# KiCad board panel_32x32_1515_r0.1.kicad_pcb (continued)
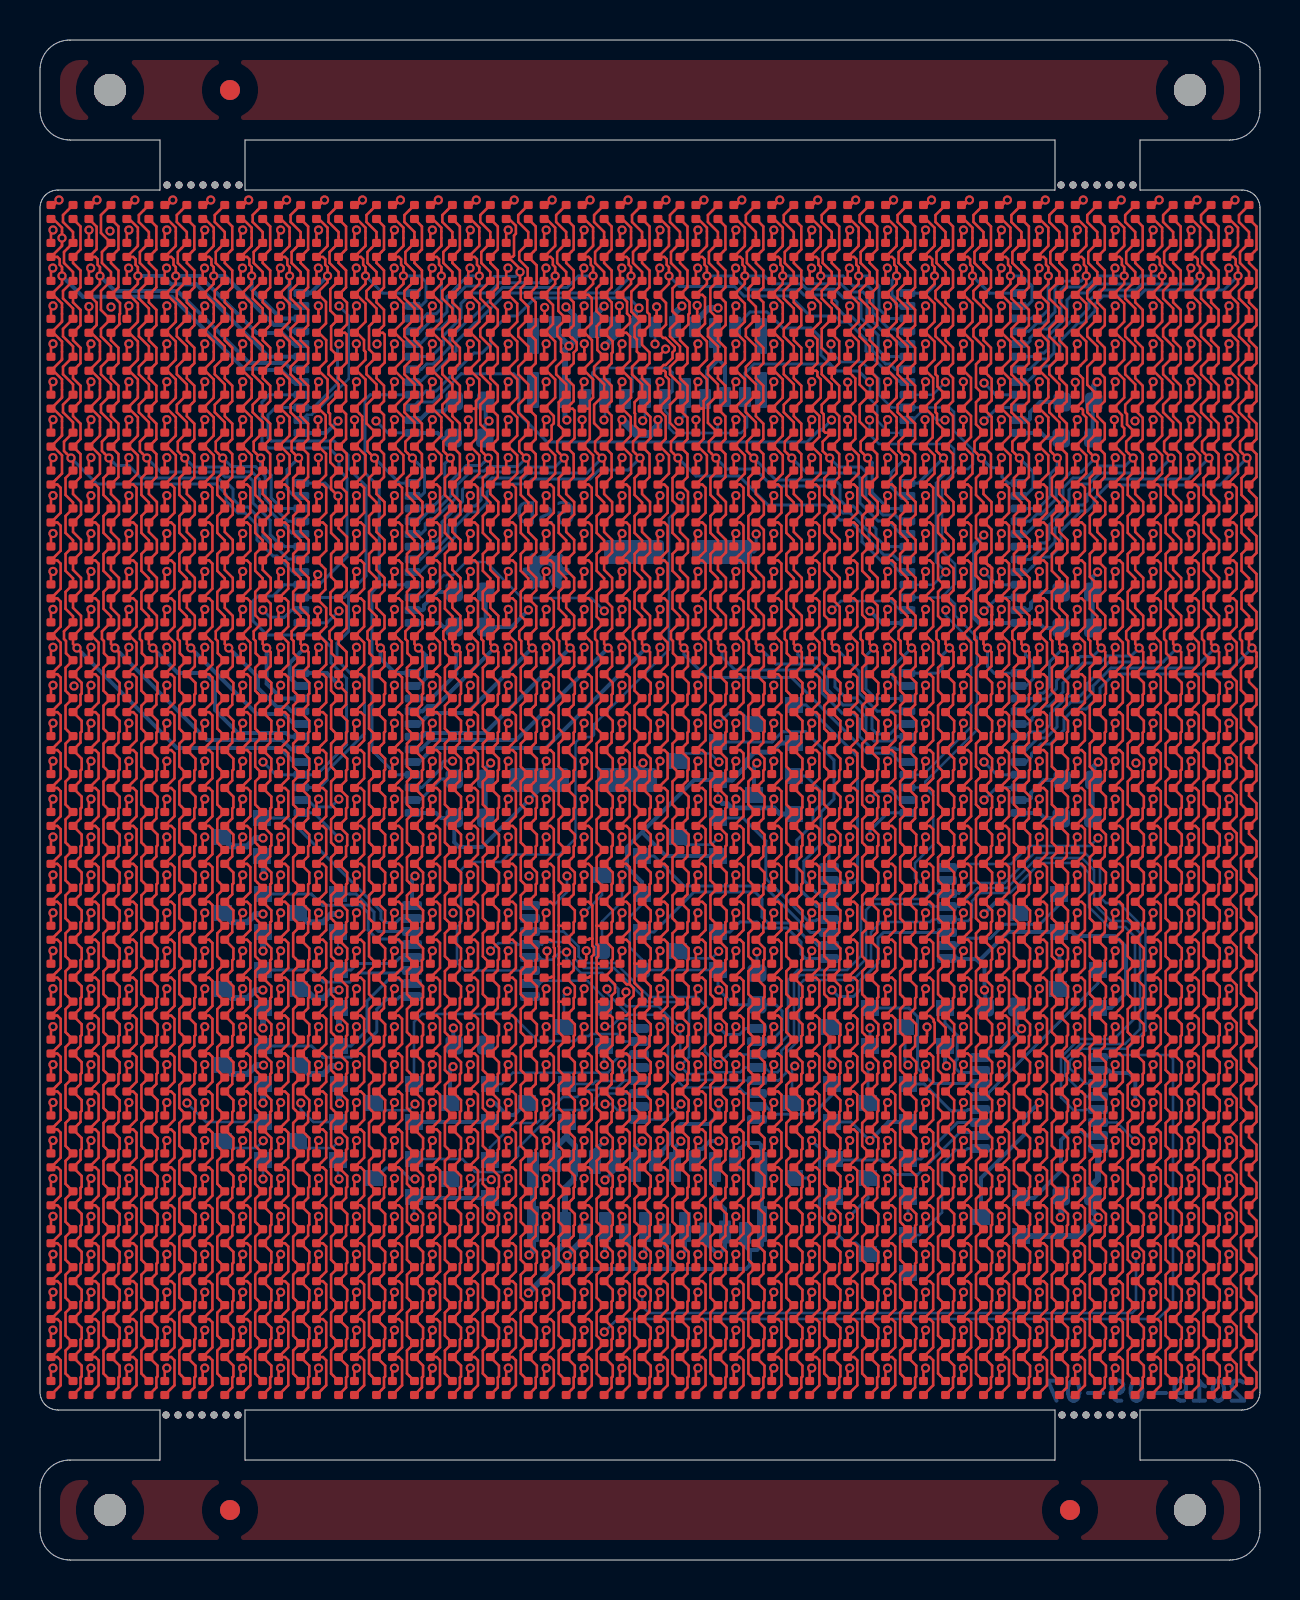
[diagram p0: board, top side]
## Routing (per net, layer and track width the routed paths; a pad name or vN(x,y) marks a point on that pad's centre or on a via; arc(x,y) is an arc through that point) (continued)
  In2.Cu w0.2: v1(6.34,62.71) 6.9,62.15 6.9,59.65 6.95,59.6 6.95,55.43 6.82,55.3 6.82,54.03 7,53.85 7,48.45 6.85,48.3 6.85,40.25 9.55,37.55 9.55,30.42 11.14,28.83 v1(11.14,28.5)
  Bottom w0.3: v1(11.14,28.5) 10.77,28.5 10.37,28.1 9.6,28.1 Q4.3
/ledArray/sheet5D7853C8/COM: length 30.5
  Top w0.127: v1(0.65,38.05) 0.55,37.95 D513.1 ; v1(2.55,38.05) 2.45,37.95 D514.1 ; v1(4.44,38.05) 4.34,37.95 D515.1 ; v1(6.34,38.05) 6.24,37.95 D516.1 ; v1(8.24,38.05) 8.14,37.95 D517.1 ; v1(10.13,38.05) 10.03,37.95 D518.1 ; v1(12.03,38.05) 11.93,37.95 D519.1 ; v1(13.93,38.05) 13.83,37.95 D520.1 ; v1(15.82,38.05) 15.72,37.95 D521.1 ; v1(17.72,38.05) 17.62,37.95 D522.1 ; v1(19.62,38.05) 19.52,37.95 D523.1 ; v1(21.51,38.05) 21.41,37.95 D524.1 ; v1(23.41,38.05) 23.31,37.95 D525.1 ; v1(25.31,38.05) 25.21,37.95 D526.1 ; v1(27.2,38.05) 27.1,37.95 D527.1 ; v1(29.1,38.05) 29,37.95 D528.1 ; v1(31,38.05) 30.9,37.95 D529.1 ; v1(32.9,38.05) 32.79,37.95 D530.1 ; v1(34.79,38.05) 34.69,37.95 D531.1 ; v1(36.69,38.05) 36.59,37.95 D532.1 ; v1(38.59,38.05) 38.48,37.95 D533.1 ; v1(40.48,38.05) 40.38,37.95 D534.1 ; v1(42.38,38.05) 42.28,37.95 D535.1 ; v1(44.28,38.05) 44.17,37.95 D536.1 ; v1(46.17,38.05) 46.07,37.95 D537.1 ; v1(48.07,38.05) 47.97,37.95 D538.1 ; v1(49.97,38.05) 49.86,37.95 D539.1 ; v1(51.86,38.05) 51.76,37.95 D540.1 ; v1(53.76,38.05) 53.66,37.95 D541.1 ; v1(55.66,38.05) 55.56,37.95 D542.1 ; v1(57.55,38.05) 57.45,37.95 D543.1 ; v1(59.45,38.05) 59.35,37.95 D544.1
  In2.Cu w0.2: v1(48.07,38.05) 47.49,37.47 47.49,32.59 v1(47.2,32.3)
  Bottom w0.2: v1(47.2,32.3) 47.85,32.95 48.3,32.95 48.9,32.35 Q17.3
/ledArray/sheet5D7853C9/COM: length 30.8
  Top w0.127: v1(0.65,36.15) 0.55,36.05 D545.1 ; v1(2.55,36.15) 2.45,36.05 D546.1 ; v1(4.44,36.15) 4.34,36.05 D547.1 ; v1(6.34,36.15) 6.24,36.05 D548.1 ; v1(8.24,36.15) 8.14,36.05 D549.1 ; v1(10.13,36.15) 10.03,36.05 D550.1 ; v1(12.03,36.15) 11.93,36.05 D551.1 ; v1(13.93,36.15) 13.83,36.05 D552.1 ; v1(15.82,36.15) 15.72,36.05 D553.1 ; v1(17.72,36.15) 17.62,36.05 D554.1 ; v1(19.62,36.15) 19.52,36.05 D555.1 ; v1(21.51,36.15) 21.41,36.05 D556.1 ; v1(23.41,36.15) 23.31,36.05 D557.1 ; v1(25.31,36.15) 25.21,36.05 D558.1 ; v1(27.2,36.15) 27.1,36.05 D559.1 ; v1(29.1,36.15) 29,36.05 D560.1 ; v1(31,36.15) 30.9,36.05 D561.1 ; v1(32.9,36.15) 32.79,36.05 D562.1 ; v1(34.79,36.15) 34.69,36.05 D563.1 ; v1(36.69,36.15) 36.59,36.05 D564.1 ; v1(38.59,36.15) 38.48,36.05 D565.1 ; v1(40.48,36.15) 40.38,36.05 D566.1 ; v1(42.38,36.15) 42.28,36.05 D567.1 ; v1(44.28,36.15) 44.17,36.05 D568.1 ; v1(46.17,36.15) 46.07,36.05 D569.1 ; v1(48.07,36.15) 47.97,36.05 D570.1 ; v1(49.97,36.15) 49.86,36.05 D571.1 ; v1(51.86,36.15) 51.76,36.05 D572.1 ; v1(53.76,36.15) 53.66,36.05 D573.1 ; v1(55.66,36.15) 55.56,36.05 D574.1 ; v1(57.55,36.15) 57.45,36.05 D575.1 ; v1(59.45,36.15) 59.35,36.05 D576.1
  In2.Cu w0.2: v1(33.93,30.44) 35.21,31.72 35.21,35.73 v1(34.79,36.15)
  Bottom w0.127: v1(33.93,30.44) 33.57,30.08 32.27,30.08 Q18.3
/ledArray/sheet5D7853CA/COM: length 26.3
  Top w0.127: v1(0.65,34.25) 0.55,34.15 D577.1 ; v1(2.55,34.25) 2.45,34.15 D578.1 ; v1(4.44,34.25) 4.34,34.15 D579.1 ; v1(6.34,34.25) 6.24,34.15 D580.1 ; v1(8.24,34.25) 8.14,34.15 D581.1 ; v1(10.13,34.25) 10.03,34.15 D582.1 ; v1(12.03,34.25) 11.93,34.15 D583.1 ; v1(13.93,34.25) 13.83,34.15 D584.1 ; v1(15.82,34.25) 15.72,34.15 D585.1 ; v1(17.72,34.25) 17.62,34.15 D586.1 ; v1(19.62,34.25) 19.52,34.15 D587.1 ; v1(21.51,34.25) 21.41,34.15 D588.1 ; v1(23.41,34.25) 23.31,34.15 D589.1 ; v1(25.31,34.25) 25.21,34.15 D590.1 ; v1(27.2,34.25) 27.1,34.15 D591.1 ; v1(29.1,34.25) 29,34.15 D592.1 ; v1(31,34.25) 30.9,34.15 D593.1 ; v1(32.9,34.25) 32.79,34.15 D594.1 ; v1(34.79,34.25) 34.69,34.15 D595.1 ; v1(36.69,34.25) 36.59,34.15 D596.1 ; v1(38.59,34.25) 38.48,34.15 D597.1 ; v1(40.48,34.25) 40.38,34.15 D598.1 ; v1(42.38,34.25) 42.28,34.15 D599.1 ; v1(44.28,34.25) 44.17,34.15 D600.1 ; v1(46.17,34.25) 46.07,34.15 D601.1 ; v1(48.07,34.25) 47.97,34.15 D602.1 ; v1(49.97,34.25) 49.86,34.15 D603.1 ; v1(51.86,34.25) 51.76,34.15 D604.1 ; v1(53.76,34.25) 53.66,34.15 D605.1 ; v1(55.66,34.25) 55.56,34.15 D606.1 ; v1(57.55,34.25) 57.45,34.15 D607.1 ; v1(59.45,34.25) 59.35,34.15 D608.1
  Bottom w0.127: v1(29.1,34.25) 29.1,32.92 28.1,31.92 Q19.3
/ledArray/sheet5D7853CB/COM: length 24.3
  Top w0.127: v1(0.65,32.36) 0.55,32.26 D609.1 ; v1(2.55,32.36) 2.45,32.26 D610.1 ; v1(4.44,32.36) 4.34,32.26 D611.1 ; v1(6.34,32.36) 6.24,32.26 D612.1 ; v1(8.24,32.36) 8.14,32.26 D613.1 ; v1(10.13,32.36) 10.03,32.26 D614.1 ; v1(12.03,32.36) 11.93,32.26 D615.1 ; v1(13.93,32.36) 13.83,32.26 D616.1 ; v1(15.82,32.36) 15.72,32.26 D617.1 ; v1(17.72,32.36) 17.62,32.26 D618.1 ; v1(19.62,32.36) 19.52,32.26 D619.1 ; v1(21.51,32.36) 21.41,32.26 D620.1 ; v1(23.41,32.36) 23.31,32.26 D621.1 ; v1(25.31,32.36) 25.21,32.26 D622.1 ; v1(27.2,32.36) 27.1,32.26 D623.1 ; v1(29.1,32.36) 29,32.26 D624.1 ; v1(31,32.36) 30.9,32.26 D625.1 ; v1(32.9,32.36) 32.79,32.26 D626.1 ; v1(34.79,32.36) 34.69,32.26 D627.1 ; v1(36.69,32.36) 36.59,32.26 D628.1 ; v1(38.59,32.36) 38.48,32.26 D629.1 ; v1(40.48,32.36) 40.38,32.26 D630.1 ; v1(42.38,32.36) 42.28,32.26 D631.1 ; v1(44.28,32.36) 44.17,32.26 D632.1 ; v1(46.17,32.36) 46.07,32.26 D633.1 ; v1(48.07,32.36) 47.97,32.26 D634.1 ; v1(49.97,32.36) 49.86,32.26 D635.1 ; v1(51.86,32.36) 51.76,32.26 D636.1 ; v1(53.76,32.36) 53.66,32.26 D637.1 ; v1(55.66,32.36) 55.56,32.26 D638.1 ; v1(57.55,32.36) 57.45,32.26 D639.1 ; v1(59.45,32.36) 59.35,32.26 D640.1
  Bottom w0.127: v1(27.2,32.36) 28.1,33.25 Q20.3
/ledArray/sheet5D7853CC/COM: length 30.6
  Top w0.127: v1(0.65,30.46) 0.55,30.36 D641.1 ; v1(2.55,30.46) 2.45,30.36 D642.1 ; v1(4.44,30.46) 4.34,30.36 D643.1 ; v1(6.34,30.46) 6.24,30.36 D644.1 ; v1(8.24,30.46) 8.14,30.36 D645.1 ; v1(10.13,30.46) 10.03,30.36 D646.1 ; v1(12.03,30.46) 11.93,30.36 D647.1 ; v1(13.93,30.46) 13.83,30.36 D648.1 ; v1(15.82,30.46) 15.72,30.36 D649.1 ; v1(17.72,30.46) 17.62,30.36 D650.1 ; v1(19.62,30.46) 19.52,30.36 D651.1 ; v1(21.51,30.46) 21.41,30.36 D652.1 ; v1(23.41,30.46) 23.31,30.36 D653.1 ; v1(29.1,30.46) 29,30.36 D656.1 ; v1(31,30.46) 30.9,30.36 D657.1 ; v1(32.9,30.46) 32.79,30.36 D658.1 ; v1(34.79,30.46) 34.69,30.36 D659.1 ; v1(36.69,30.46) 36.59,30.36 D660.1 ; v1(38.59,30.46) 38.48,30.36 D661.1 ; v1(40.48,30.46) 40.38,30.36 D662.1 ; v1(42.38,30.46) 42.28,30.36 D663.1 ; v1(44.28,30.46) 44.17,30.36 D664.1 ; v1(46.17,30.46) 46.07,30.36 D665.1 ; v1(48.07,30.46) 47.97,30.36 D666.1 ; v1(49.97,30.46) 49.86,30.36 D667.1 ; v1(51.86,30.46) 51.76,30.36 D668.1 ; v1(53.76,30.46) 53.66,30.36 D669.1 ; v1(55.66,30.46) 55.56,30.36 D670.1 ; v1(57.55,30.46) 57.45,30.36 D671.1 ; v1(59.45,30.46) 59.35,30.36 D672.1 ; D654.1 25.35,29.96 v1(25.35,30.45) ; D655.1 27.31,30.02 v1(27.31,30.46)
  In2.Cu w0.2: v1(32.9,30.46) 33.93,31.5 v1(33.93,36.13)
  Bottom w0.127: Q21.3 32.28,35.77 33.57,35.77 v1(33.93,36.13)
/ledArray/sheet5D7853CD/COM: length 35.8
  Top w0.127: v1(0.65,28.56) 0.55,28.46 D673.1 ; v1(2.55,28.56) 2.45,28.46 D674.1 ; v1(4.44,28.56) 4.34,28.46 D675.1 ; v1(6.34,28.56) 6.24,28.46 D676.1 ; v1(8.24,28.56) 8.14,28.46 D677.1 ; v1(10.13,28.56) 10.03,28.46 D678.1 ; v1(12.03,28.56) 11.93,28.46 D679.1 ; v1(13.93,28.56) 13.83,28.46 D680.1 ; v1(15.82,28.56) 15.72,28.46 D681.1 ; v1(17.72,28.56) 17.62,28.46 D682.1 ; v1(19.62,28.56) 19.52,28.46 D683.1 ; v1(21.51,28.56) 21.41,28.46 D684.1 ; v1(23.41,28.56) 23.31,28.46 D685.1 ; v1(25.31,28.56) 25.21,28.46 D686.1 ; v1(27.2,28.56) 27.1,28.46 D687.1 ; v1(31,28.56) 30.9,28.46 D689.1 ; v1(32.9,28.56) 32.79,28.46 D690.1 ; v1(34.79,28.56) 34.69,28.46 D691.1 ; v1(36.69,28.56) 36.59,28.46 D692.1 ; v1(38.59,28.56) 38.48,28.46 D693.1 ; v1(40.48,28.56) 40.38,28.46 D694.1 ; v1(42.38,28.56) 42.28,28.46 D695.1 ; v1(44.28,28.56) 44.17,28.46 D696.1 ; v1(46.17,28.56) 46.07,28.46 D697.1 ; v1(48.07,28.56) 47.97,28.46 D698.1 ; v1(49.97,28.56) 49.86,28.46 D699.1 ; v1(51.86,28.56) 51.76,28.46 D700.1 ; v1(53.76,28.56) 53.66,28.46 D701.1 ; v1(55.66,28.56) 55.56,28.46 D702.1 ; v1(57.55,28.56) 57.45,28.46 D703.1 ; v1(59.45,28.56) 59.35,28.46 D704.1 ; v1(29.3,28.4) 29.3,28.22 D688.1 29,28.07
  In2.Cu w0.2: v1(36.69,28.56) 37.11,28.98 37.11,38.58 v1(35.84,39.85)
  Bottom w0.2: v1(35.84,39.85) 35.7,39.71 Q22.3
/ledArray/sheet5D7853CE/COM: length 38.9
  Top w0.127: v1(0.65,26.67) 0.55,26.57 D705.1 ; v1(2.55,26.67) 2.45,26.57 D706.1 ; v1(4.44,26.67) 4.34,26.57 D707.1 ; v1(6.34,26.67) 6.24,26.57 D708.1 ; v1(8.24,26.67) 8.14,26.57 D709.1 ; v1(10.13,26.67) 10.03,26.57 D710.1 ; v1(12.03,26.67) 11.93,26.57 D711.1 ; v1(13.93,26.67) 13.83,26.57 D712.1 ; v1(15.82,26.67) 15.72,26.57 D713.1 ; v1(17.72,26.67) 17.62,26.57 D714.1 ; v1(19.62,26.67) 19.52,26.57 D715.1 ; v1(21.51,26.67) 21.41,26.57 D716.1 ; v1(23.41,26.67) 23.31,26.57 D717.1 ; v1(25.31,26.67) 25.21,26.57 D718.1 ; v1(27.2,26.67) 27.1,26.57 D719.1 ; v1(29.1,26.67) 29,26.57 D720.1 ; v1(31,26.67) 30.9,26.57 D721.1 ; v1(32.9,26.67) 32.79,26.57 D722.1 ; v1(34.79,26.67) 34.69,26.57 D723.1 ; v1(36.69,26.67) 36.59,26.57 D724.1 ; v1(38.59,26.67) 38.48,26.57 D725.1 ; v1(40.48,26.67) 40.38,26.57 D726.1 ; v1(42.38,26.67) 42.28,26.57 D727.1 ; v1(46.17,26.67) 46.07,26.57 D729.1 ; v1(48.07,26.67) 47.97,26.57 D730.1 ; v1(49.97,26.67) 49.86,26.57 D731.1 ; v1(51.86,26.67) 51.76,26.57 D732.1 ; v1(53.76,26.67) 53.66,26.57 D733.1 ; v1(55.66,26.67) 55.56,26.57 D734.1 ; v1(57.55,26.67) 57.45,26.57 D735.1 ; v1(59.45,26.67) 59.35,26.57 D736.1 ; D728.1 44.35,26.2 v1(44.35,26.65)
  In2.Cu w0.2: v1(33.95,39.9) 32.48,38.43 32.48,28.15 v1(31,26.67)
  Bottom w0.127: v1(33.95,39.9) 33.52,40.33 32.28,40.33 Q23.3
/ledArray/sheet5D7853CF/COM: length 43.3
  Top w0.127: v1(0.65,24.77) 0.55,24.67 D737.1 ; v1(2.55,24.77) 2.45,24.67 D738.1 ; v1(4.44,24.77) 4.34,24.67 D739.1 ; v1(6.34,24.77) 6.24,24.67 D740.1 ; v1(8.24,24.77) 8.14,24.67 D741.1 ; v1(10.13,24.77) 10.03,24.67 D742.1 ; v1(12.03,24.77) 11.93,24.67 D743.1 ; v1(13.93,24.77) 13.83,24.67 D744.1 ; v1(15.82,24.77) 15.72,24.67 D745.1 ; v1(17.72,24.77) 17.62,24.67 D746.1 ; v1(19.62,24.77) 19.52,24.67 D747.1 ; v1(21.51,24.77) 21.41,24.67 D748.1 ; v1(23.41,24.77) 23.31,24.67 D749.1 ; v1(25.31,24.77) 25.21,24.67 D750.1 ; v1(27.2,24.77) 27.1,24.67 D751.1 ; v1(31,24.77) 30.9,24.67 D753.1 ; v1(32.9,24.77) 32.79,24.67 D754.1 ; v1(34.79,24.77) 34.69,24.67 D755.1 ; v1(36.69,24.77) 36.59,24.67 D756.1 ; v1(38.59,24.77) 38.48,24.67 D757.1 ; v1(40.48,24.77) 40.38,24.67 D758.1 ; v1(42.38,24.77) 42.28,24.67 D759.1 ; v1(44.28,24.77) 44.17,24.67 D760.1 ; v1(46.17,24.77) 46.07,24.67 D761.1 ; v1(48.07,24.77) 47.97,24.67 D762.1 ; v1(49.97,24.77) 49.86,24.67 D763.1 ; v1(51.86,24.77) 51.76,24.67 D764.1 ; v1(53.76,24.77) 53.66,24.67 D765.1 ; v1(55.66,24.77) 55.56,24.67 D766.1 ; v1(57.55,24.77) 57.45,24.67 D767.1 ; v1(59.45,24.77) 59.35,24.67 D768.1 ; v1(29.09,24.78) 29.09,24.21 D752.1
  In2.Cu w0.2: v1(33.9,41.8) 31.75,39.65 31.75,28.7 29.09,26.04 v1(29.09,24.78)
  Bottom w0.127: Q24.3 35.65,41.8 35.12,42.33 34.43,42.33 v1(33.9,41.8)
/ledArray/sheet5D7955BF/COM: length 29
  Top w0.127: v1(0.65,22.87) 0.55,22.77 D769.1 ; v1(2.55,22.87) 2.45,22.77 D770.1 ; v1(4.44,22.87) 4.34,22.77 D771.1 ; v1(6.34,22.87) 6.24,22.77 D772.1 ; v1(8.24,22.87) 8.14,22.77 D773.1 ; v1(10.13,22.87) 10.03,22.77 D774.1 ; v1(12.03,22.87) 11.93,22.77 D775.1 ; v1(13.93,22.87) 13.83,22.77 D776.1 ; v1(15.82,22.87) 15.72,22.77 D777.1 ; v1(17.72,22.87) 17.62,22.77 D778.1 ; v1(19.62,22.87) 19.52,22.77 D779.1 ; v1(21.51,22.87) 21.41,22.77 D780.1 ; v1(23.41,22.87) 23.31,22.77 D781.1 ; v1(25.31,22.87) 25.21,22.77 D782.1 ; v1(27.2,22.87) 27.1,22.77 D783.1 ; v1(29.1,22.87) 29,22.77 D784.1 ; v1(31,22.87) 30.9,22.77 D785.1 ; v1(32.9,22.87) 32.79,22.77 D786.1 ; v1(34.79,22.87) 34.69,22.77 D787.1 ; v1(36.69,22.87) 36.59,22.77 D788.1 ; v1(38.59,22.87) 38.48,22.77 D789.1 ; v1(40.48,22.87) 40.38,22.77 D790.1 ; v1(42.38,22.87) 42.28,22.77 D791.1 ; v1(44.28,22.87) 44.17,22.77 D792.1 ; v1(46.17,22.87) 46.07,22.77 D793.1 ; v1(48.07,22.87) 47.97,22.77 D794.1 ; v1(49.97,22.87) 49.86,22.77 D795.1 ; v1(51.86,22.87) 51.76,22.77 D796.1 ; v1(53.76,22.87) 53.66,22.77 D797.1 ; v1(55.66,22.87) 55.56,22.77 D798.1 ; v1(57.55,22.87) 57.45,22.77 D799.1 ; v1(59.45,22.87) 59.35,22.77 D800.1
  Bottom w0.2: v1(49.97,22.87) 49.2,22.11 49.2,21.25 47.05,19.1 Q25.3
/ledArray/sheet5D7955CE/COM: length 29.2
  Top w0.127: v1(0.65,20.98) 0.55,20.88 D801.1 ; v1(2.55,20.98) 2.45,20.88 D802.1 ; v1(4.44,20.98) 4.34,20.88 D803.1 ; v1(6.34,20.98) 6.24,20.88 D804.1 ; v1(8.24,20.98) 8.14,20.88 D805.1 ; v1(10.13,20.98) 10.03,20.88 D806.1 ; v1(12.03,20.98) 11.93,20.88 D807.1 ; v1(13.93,20.98) 13.83,20.88 D808.1 ; v1(15.82,20.98) 15.72,20.88 D809.1 ; v1(17.72,20.98) 17.62,20.88 D810.1 ; v1(19.62,20.98) 19.52,20.88 D811.1 ; v1(21.51,20.98) 21.41,20.88 D812.1 ; v1(23.41,20.98) 23.31,20.88 D813.1 ; v1(25.31,20.98) 25.21,20.88 D814.1 ; v1(27.2,20.98) 27.1,20.88 D815.1 ; v1(29.1,20.98) 29,20.88 D816.1 ; v1(31,20.98) 30.9,20.88 D817.1 ; v1(32.9,20.98) 32.79,20.88 D818.1 ; v1(34.79,20.98) 34.69,20.88 D819.1 ; v1(36.69,20.98) 36.59,20.88 D820.1 ; v1(38.59,20.98) 38.48,20.88 D821.1 ; v1(40.48,20.98) 40.38,20.88 D822.1 ; v1(42.38,20.98) 42.28,20.88 D823.1 ; v1(44.28,20.98) 44.17,20.88 D824.1 ; v1(46.17,20.98) 46.07,20.88 D825.1 ; v1(48.07,20.98) 47.97,20.88 D826.1 ; v1(49.97,20.98) 49.86,20.88 D827.1 ; v1(51.86,20.98) 51.76,20.88 D828.1 ; v1(53.76,20.98) 53.66,20.88 D829.1 ; v1(55.66,20.98) 55.56,20.88 D830.1 ; v1(57.55,20.98) 57.45,20.88 D831.1 ; v1(59.45,20.98) 59.35,20.88 D832.1
  Bottom w0.15: Q26.3 41.35,15.3 40.8,15.85 40.32,15.85 38.98,17.19 38.98,20.58 v1(38.59,20.98)
/ledArray/sheet5D7955E0/COM: length 23
  Top w0.127: v1(0.65,19.08) 0.55,18.98 D833.1 ; v1(2.55,19.08) 2.45,18.98 D834.1 ; v1(4.44,19.08) 4.34,18.98 D835.1 ; v1(6.34,19.08) 6.24,18.98 D836.1 ; v1(8.24,19.08) 8.14,18.98 D837.1 ; v1(10.13,19.08) 10.03,18.98 D838.1 ; v1(12.03,19.08) 11.93,18.98 D839.1 ; v1(13.93,19.08) 13.83,18.98 D840.1 ; v1(15.82,19.08) 15.72,18.98 D841.1 ; v1(17.72,19.08) 17.62,18.98 D842.1 ; v1(19.62,19.08) 19.52,18.98 D843.1 ; v1(21.51,19.08) 21.41,18.98 D844.1 ; v1(23.41,19.08) 23.31,18.98 D845.1 ; v1(25.31,19.08) 25.21,18.98 D846.1 ; v1(27.2,19.08) 27.1,18.98 D847.1 ; v1(29.1,19.08) 29,18.98 D848.1 ; v1(31,19.08) 30.9,18.98 D849.1 ; v1(32.9,19.08) 32.79,18.98 D850.1 ; v1(34.79,19.08) 34.69,18.98 D851.1 ; v1(36.69,19.08) 36.59,18.98 D852.1 ; v1(38.59,19.08) 38.48,18.98 D853.1 ; v1(40.48,19.08) 40.38,18.98 D854.1 ; v1(42.38,19.08) 42.28,18.98 D855.1 ; v1(44.28,19.08) 44.17,18.98 D856.1 ; v1(46.17,19.08) 46.07,18.98 D857.1 ; v1(48.07,19.08) 47.97,18.98 D858.1 ; v1(49.97,19.08) 49.86,18.98 D859.1 ; v1(51.86,19.08) 51.76,18.98 D860.1 ; v1(53.76,19.08) 53.66,18.98 D861.1 ; v1(55.66,19.08) 55.56,18.98 D862.1 ; v1(57.55,19.08) 57.45,18.98 D863.1 ; v1(59.45,19.08) 59.35,18.98 D864.1
  Bottom w0.15: Q27.3 38.57,19.1 v1(38.59,19.08)
/ledArray/sheet5D7955F1/COM: length 24.4
  Top w0.127: v1(0.65,17.18) 0.55,17.08 D865.1 ; v1(2.55,17.18) 2.45,17.08 D866.1 ; v1(4.44,17.18) 4.34,17.08 D867.1 ; v1(6.34,17.18) 6.24,17.08 D868.1 ; v1(8.24,17.18) 8.14,17.08 D869.1 ; v1(10.13,17.18) 10.03,17.08 D870.1 ; v1(12.03,17.18) 11.93,17.08 D871.1 ; v1(13.93,17.18) 13.83,17.08 D872.1 ; v1(15.82,17.18) 15.72,17.08 D873.1 ; v1(17.72,17.18) 17.62,17.08 D874.1 ; v1(19.62,17.18) 19.52,17.08 D875.1 ; v1(21.51,17.18) 21.41,17.08 D876.1 ; v1(23.41,17.18) 23.31,17.08 D877.1 ; v1(25.31,17.18) 25.21,17.08 D878.1 ; v1(27.2,17.18) 27.1,17.08 D879.1 ; v1(29.1,17.18) 29,17.08 D880.1 ; v1(31,17.18) 30.9,17.08 D881.1 ; v1(32.9,17.18) 32.79,17.08 D882.1 ; v1(34.79,17.18) 34.69,17.08 D883.1 ; v1(36.69,17.18) 36.59,17.08 D884.1 ; v1(38.59,17.18) 38.48,17.08 D885.1 ; v1(40.48,17.18) 40.38,17.08 D886.1 ; v1(42.38,17.18) 42.28,17.08 D887.1 ; v1(44.28,17.18) 44.17,17.08 D888.1 ; v1(46.17,17.18) 46.07,17.08 D889.1 ; v1(48.07,17.18) 47.97,17.08 D890.1 ; v1(49.97,17.18) 49.86,17.08 D891.1 ; v1(51.86,17.18) 51.76,17.08 D892.1 ; v1(53.76,17.18) 53.66,17.08 D893.1 ; v1(55.66,17.18) 55.56,17.08 D894.1 ; v1(57.55,17.18) 57.45,17.08 D895.1 ; v1(59.45,17.18) 59.35,17.08 D896.1
  Bottom w0.15: Q28.3 41.4,18.1 v1(40.48,17.18)
/ledArray/sheet5D73722B/COM: length 53.1
  Top w0.127: v1(0.65,57.02) 0.55,56.91 D193.1 ; v1(2.55,57.02) 2.45,56.91 D194.1 ; v1(4.44,57.02) 4.34,56.91 D195.1 ; v1(6.34,57.02) 6.24,56.91 D196.1 ; v1(8.24,57.02) 8.14,56.91 D197.1 ; v1(10.13,57.02) 10.03,56.91 D198.1 ; v1(12.03,57.02) 11.93,56.91 D199.1 ; v1(17.72,57.02) 17.62,56.91 D202.1 ; v1(19.62,57.02) 19.52,56.91 D203.1 ; v1(23.41,57.02) 23.31,56.91 D205.1 ; v1(25.31,57.02) 25.21,56.91 D206.1 ; v1(29.1,57.02) 29,56.91 D208.1 ; v1(34.79,57.02) 34.69,56.91 D211.1 ; v1(36.69,57.02) 36.59,56.91 D212.1 ; v1(38.59,57.02) 38.48,56.91 D213.1 ; v1(42.38,57.02) 42.28,56.91 D215.1 ; v1(48.07,57.02) 47.97,56.91 D218.1 ; v1(49.97,57.02) 49.86,56.91 D219.1 ; v1(51.86,57.02) 51.76,56.91 D220.1 ; v1(55.66,57.02) 55.56,56.91 D222.1 ; v1(57.55,57.02) 57.45,56.91 D223.1 ; v1(59.45,57.02) 59.35,56.91 D224.1 ; v1(15.73,57.01) 15.73,56.37 D201.1 ; v1(27.11,57.02) 27.11,56.37 D207.1 ; D214.1 40.38,56.37 v1(40.38,57.02) ; D204.1 21.42,56.37 v1(21.42,57.01) ; D217.1 46.17,56.46 v1(46.17,57.02) ; D210.1 32.8,56.37 v1(32.8,57.01) ; v1(44.25,57.02) 44.25,56.45 D216.1 ; D209.1 30.9,56.37 v1(30.9,57.02) ; v1(53.72,57.02) 53.72,56.43 D221.1 ; v1(13.9,57.02) 13.9,56.44 D200.1
  In2.Cu w0.2: v1(14.95,32.3) 14.35,32.9 14.35,44.1 14.88,44.62 14.88,46.22 14.5,46.6 13.85,46.6 13.4,47.05 13.4,56.51 v1(13.9,57.02)
  Bottom w0.3: Q7.3 12.95,32.35 13.41,31.89 14.15,31.89 14.56,32.3 v1(14.95,32.3)
  Bottom w0.4: v1(29.1,57.02) 29.82,56.3 30.51,56.3 30.9,56.69 v1(30.9,57.02)
/ledArray/sheet5D73723C/COM: length 43.9
  Top w0.127: v1(0.65,55.12) 0.55,55.02 D225.1 ; v1(2.55,55.12) 2.45,55.02 D226.1 ; v1(4.44,55.12) 4.34,55.02 D227.1 ; v1(6.34,55.12) 6.24,55.02 D228.1 ; v1(8.24,55.12) 8.14,55.02 D229.1 ; v1(10.13,55.12) 10.03,55.02 D230.1 ; v1(12.03,55.12) 11.93,55.02 D231.1 ; v1(15.82,55.12) 15.72,55.02 D233.1 ; v1(17.72,55.12) 17.62,55.02 D234.1 ; v1(19.62,55.12) 19.52,55.02 D235.1 ; v1(21.51,55.12) 21.41,55.02 D236.1 ; v1(23.41,55.12) 23.31,55.02 D237.1 ; v1(25.31,55.12) 25.21,55.02 D238.1 ; v1(27.2,55.12) 27.1,55.02 D239.1 ; v1(29.1,55.12) 29,55.02 D240.1 ; v1(31,55.12) 30.9,55.02 D241.1 ; v1(32.9,55.12) 32.79,55.02 D242.1 ; v1(34.79,55.12) 34.69,55.02 D243.1 ; v1(36.69,55.12) 36.59,55.02 D244.1 ; v1(38.59,55.12) 38.48,55.02 D245.1 ; v1(40.48,55.12) 40.38,55.02 D246.1 ; v1(42.38,55.12) 42.28,55.02 D247.1 ; v1(44.28,55.12) 44.17,55.02 D248.1 ; v1(46.17,55.12) 46.07,55.02 D249.1 ; v1(48.07,55.12) 47.97,55.02 D250.1 ; v1(49.97,55.12) 49.86,55.02 D251.1 ; v1(51.86,55.12) 51.76,55.02 D252.1 ; v1(53.76,55.12) 53.66,55.02 D253.1 ; v1(55.66,55.12) 55.56,55.02 D254.1 ; v1(57.55,55.12) 57.45,55.02 D255.1 ; v1(59.45,55.12) 59.35,55.02 D256.1 ; D232.1 13.92,54.56 v1(13.92,55.12)
  In2.Cu w0.2: v1(11.15,36.1) 11.15,39.28 10.55,39.88 10.55,53.75 10.13,54.17 v1(10.13,55.12)
  Bottom w0.3: v1(11.15,36.1) 10.78,36.1 10.36,35.68 9.57,35.68 Q8.3
/ledArray/sheet5D737207/COM: length 58.8
  Top w0.127: v1(0.65,60.81) 0.55,60.71 D129.1 ; v1(2.55,60.81) 2.45,60.71 D130.1 ; v1(4.44,60.81) 4.34,60.71 D131.1 ; v1(6.34,60.81) 6.24,60.71 D132.1 ; v1(8.24,60.81) 8.14,60.71 D133.1 ; v1(10.13,60.81) 10.03,60.71 D134.1 ; v1(12.03,60.81) 11.93,60.71 D135.1 ; v1(13.93,60.81) 13.83,60.71 D136.1 ; v1(17.72,60.81) 17.62,60.71 D138.1 ; v1(19.62,60.81) 19.52,60.71 D139.1 ; v1(21.51,60.81) 21.41,60.71 D140.1 ; v1(23.41,60.81) 23.31,60.71 D141.1 ; v1(25.31,60.81) 25.21,60.71 D142.1 ; v1(29.1,60.81) 29,60.71 D144.1 ; v1(32.9,60.81) 32.79,60.71 D146.1 ; v1(34.79,60.81) 34.69,60.71 D147.1 ; v1(36.69,60.81) 36.59,60.71 D148.1 ; v1(40.48,60.81) 40.38,60.71 D150.1 ; v1(42.38,60.81) 42.28,60.71 D151.1 ; v1(44.28,60.81) 44.17,60.71 D152.1 ; v1(46.17,60.81) 46.07,60.71 D153.1 ; v1(48.07,60.81) 47.97,60.71 D154.1 ; v1(49.97,60.81) 49.86,60.71 D155.1 ; v1(51.86,60.81) 51.76,60.71 D156.1 ; v1(53.76,60.81) 53.66,60.71 D157.1 ; v1(55.66,60.81) 55.56,60.71 D158.1 ; v1(57.55,60.81) 57.45,60.71 D159.1 ; v1(59.45,60.81) 59.35,60.71 D160.1 ; v1(31.28,60.55) D145.1 ; v1(38.49,60.81) 38.49,60.16 D149.1 ; v1(15.82,60.81) 15.82,60.26 D137.1 ; D143.1 27.21,60.27 v1(27.21,60.81)
  In2.Cu w0.2: v1(14.95,28.5) 13.51,29.94 13.51,44.06 14.45,45 14.45,45.95 14.25,46.15 13.75,46.15 13.05,46.85 13.05,53.8 12.45,54.4 12.45,60.39 v1(12.03,60.81)
  Bottom w0.3: v1(14.95,28.5) 14.57,28.5 14.17,28.1 13.7,28.1 13.25,28.55 Q5.3
/ledArray/sheet5D737218/COM: length 52.1
  Top w0.127: v1(0.65,58.91) 0.55,58.81 D161.1 ; v1(2.55,58.91) 2.45,58.81 D162.1 ; v1(4.44,58.91) 4.34,58.81 D163.1 ; v1(6.34,58.91) 6.24,58.81 D164.1 ; v1(8.24,58.91) 8.14,58.81 D165.1 ; v1(10.13,58.91) 10.03,58.81 D166.1 ; v1(12.03,58.91) 11.93,58.81 D167.1 ; v1(13.93,58.91) 13.83,58.81 D168.1 ; v1(15.82,58.91) 15.72,58.81 D169.1 ; v1(17.72,58.91) 17.62,58.81 D170.1 ; v1(19.62,58.91) 19.52,58.81 D171.1 ; v1(21.51,58.91) 21.41,58.81 D172.1 ; v1(23.41,58.91) 23.31,58.81 D173.1 ; v1(25.31,58.91) 25.21,58.81 D174.1 ; v1(27.2,58.91) 27.1,58.81 D175.1 ; v1(29.1,58.91) 29,58.81 D176.1 ; v1(31,58.91) 30.9,58.81 D177.1 ; v1(32.9,58.91) 32.79,58.81 D178.1 ; v1(34.79,58.91) 34.69,58.81 D179.1 ; v1(36.69,58.91) 36.59,58.81 D180.1 ; v1(38.59,58.91) 38.48,58.81 D181.1 ; v1(42.38,58.91) 42.28,58.81 D183.1 ; v1(44.28,58.91) 44.17,58.81 D184.1 ; v1(48.07,58.91) 47.97,58.81 D186.1 ; v1(49.97,58.91) 49.86,58.81 D187.1 ; v1(53.76,58.91) 53.66,58.81 D189.1 ; v1(55.66,58.91) 55.56,58.81 D190.1 ; v1(57.55,58.91) 57.45,58.81 D191.1 ; v1(59.45,58.91) 59.35,58.81 D192.1 ; v1(46.17,58.91) 46.17,58.36 D185.1 ; D188.1 51.76,58.27 v1(51.76,58.89) ; v1(40.38,58.89) 40.38,58.27 D182.1
  In2.Cu w0.2: v1(8.24,58.91) 8.66,58.49 8.66,54.96 8.8,54.82 8.8,40.4 10.7,38.5 10.7,32.75 v1(11.15,32.3)
  Bottom w0.3: v1(11.15,32.3) 10.77,32.3 10.36,31.89 9.61,31.89 Q6.3
/ledArray/sheet5D795602/COM: length 33.8
  Top w0.127: v1(0.65,15.29) 0.55,15.19 D897.1 ; v1(2.55,15.29) 2.45,15.19 D898.1 ; v1(4.44,15.29) 4.34,15.19 D899.1 ; v1(6.34,15.29) 6.24,15.19 D900.1 ; v1(8.24,15.29) 8.14,15.19 D901.1 ; v1(10.13,15.29) 10.03,15.19 D902.1 ; v1(12.03,15.29) 11.93,15.19 D903.1 ; v1(13.93,15.29) 13.83,15.19 D904.1 ; v1(15.82,15.29) 15.72,15.19 D905.1 ; v1(17.72,15.29) 17.62,15.19 D906.1 ; v1(19.62,15.29) 19.52,15.19 D907.1 ; v1(21.51,15.29) 21.41,15.19 D908.1 ; v1(23.41,15.29) 23.31,15.19 D909.1 ; v1(25.31,15.29) 25.21,15.19 D910.1 ; v1(27.2,15.29) 27.1,15.19 D911.1 ; v1(29.1,15.29) 29,15.19 D912.1 ; v1(31,15.29) 30.9,15.19 D913.1 ; v1(32.9,15.29) 32.79,15.19 D914.1 ; v1(34.79,15.29) 34.69,15.19 D915.1 ; v1(36.69,15.29) 36.59,15.19 D916.1 ; v1(38.59,15.29) 38.48,15.19 D917.1 ; v1(40.48,15.29) 40.38,15.19 D918.1 ; v1(42.38,15.29) 42.28,15.19 D919.1 ; v1(44.28,15.29) 44.17,15.19 D920.1 ; v1(46.17,15.29) 46.07,15.19 D921.1 ; v1(48.07,15.29) 47.97,15.19 D922.1 ; v1(49.97,15.29) 49.86,15.19 D923.1 ; v1(51.86,15.29) 51.76,15.19 D924.1 ; v1(53.76,15.29) 53.66,15.19 D925.1 ; v1(55.66,15.29) 55.56,15.19 D926.1 ; v1(57.55,15.29) 57.45,15.19 D927.1 ; v1(59.45,15.29) 59.35,15.19 D928.1
  In2.Cu w0.15: v1(40.48,15.29) 40.88,15.68 40.88,20.94 41.49,21.55 v1(41.49,24.7)
  Bottom w0.15: Q29.3 41.4,24.61 v1(41.49,24.7)
/ledArray/sheet5D795612/COM: length 41.4
  Top w0.127: v1(0.65,13.39) 0.55,13.29 D929.1 ; v1(2.55,13.39) 2.45,13.29 D930.1 ; v1(4.44,13.39) 4.34,13.29 D931.1 ; v1(6.34,13.39) 6.24,13.29 D932.1 ; v1(8.24,13.39) 8.14,13.29 D933.1 ; v1(10.13,13.39) 10.03,13.29 D934.1 ; v1(12.03,13.39) 11.93,13.29 D935.1 ; v1(13.93,13.39) 13.83,13.29 D936.1 ; v1(15.82,13.39) 15.72,13.29 D937.1 ; v1(17.72,13.39) 17.62,13.29 D938.1 ; v1(19.62,13.39) 19.52,13.29 D939.1 ; v1(21.51,13.39) 21.41,13.29 D940.1 ; v1(23.41,13.39) 23.31,13.29 D941.1 ; v1(25.31,13.39) 25.21,13.29 D942.1 ; v1(27.2,13.39) 27.1,13.29 D943.1 ; v1(29.1,13.39) 29,13.29 D944.1 ; v1(31,13.39) 30.9,13.29 D945.1 ; v1(32.9,13.39) 32.79,13.29 D946.1 ; v1(34.79,13.39) 34.69,13.29 D947.1 ; v1(36.69,13.39) 36.59,13.29 D948.1 ; v1(38.59,13.39) 38.48,13.29 D949.1 ; v1(40.48,13.39) 40.38,13.29 D950.1 ; v1(42.38,13.39) 42.28,13.29 D951.1 ; v1(44.28,13.39) 44.17,13.29 D952.1 ; v1(46.17,13.39) 46.07,13.29 D953.1 ; v1(48.07,13.39) 47.97,13.29 D954.1 ; v1(49.97,13.39) 49.86,13.29 D955.1 ; v1(51.86,13.39) 51.76,13.29 D956.1 ; v1(53.76,13.39) 53.66,13.29 D957.1 ; v1(55.66,13.39) 55.56,13.29 D958.1 ; v1(57.55,13.39) 57.45,13.29 D959.1 ; v1(59.45,13.39) 59.35,13.29 D960.1
  In2.Cu w0.2: v1(50.98,30.4) 50.39,29.81 50.39,13.81 v1(49.97,13.39)
  Bottom w0.2: Q30.3 50.98,28.63 v1(50.98,30.4)
